# Altium PCB CW308_PCB.PcbDoc (part 1 of 2) (continued)
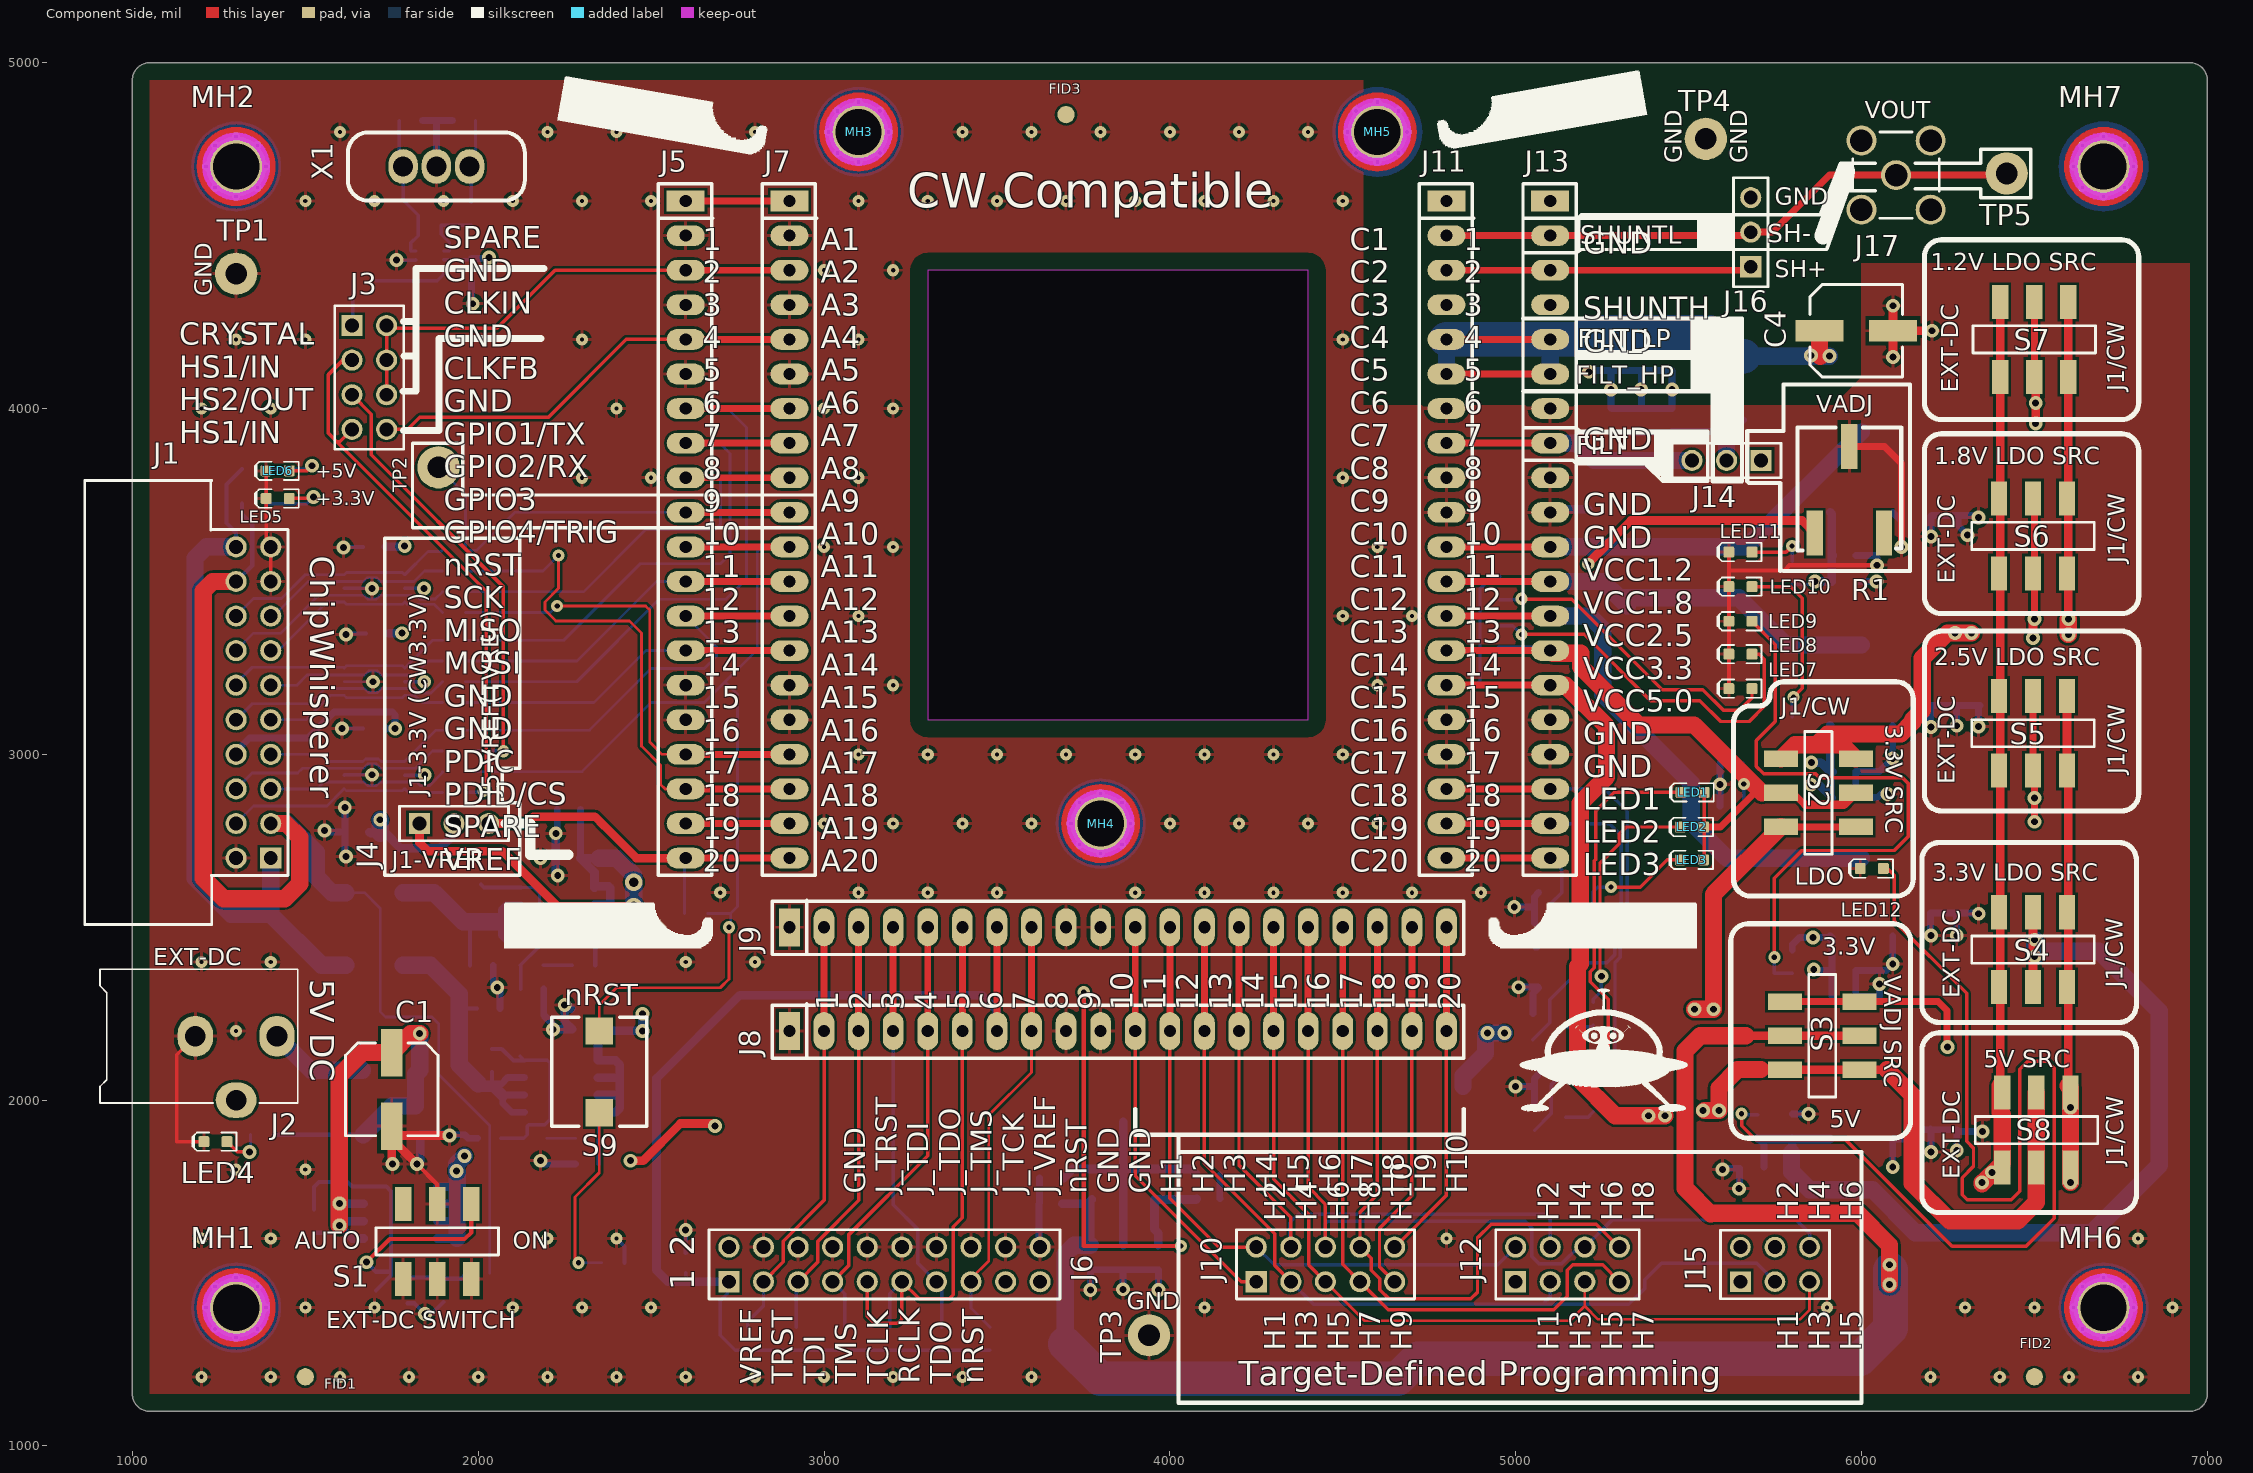
[diagram p0: Component Side view]
## Components (designator, comment, footprint, x,y, rotation, side; value= is the part's Value field where it differs from the comment) (continued)
LED3 "Red" LED-0603-RED 5510,2695 r180 top
LED4 "Green" LED-0603-GREEN 1240,1880 r180 top
LED5 "Green" LED-0603-GREEN 1420,3740 r180 top
LED6 "Green" LED-0603-GREEN 1420,3820 r180 top
LED7 "Green" LED-0603-GREEN 5650,3190 r180 top
LED8 "Green" LED-0603-GREEN 5650,3290 r180 top
LED9 "Green" LED-0603-GREEN 5650,3385 r180 top
LED10 "Green" LED-0603-GREEN 5650,3485 r180 top
LED11 "Green" LED-0603-GREEN 5650,3585 r180 top
LED12 "Green" LED-0603-GREEN 6030,2670 r180 top
MH1 "Mounting-Hole-RND-Altium" Mounting-Hole-RND-Altium 1300,1400 r0 top
MH2 "Mounting-Hole-RND-Altium" Mounting-Hole-RND-Altium 1300,4700 r0 top
MH3 "Mounting-Hole-RND-Altium" Mounting-Hole-RND-Altium 3100,4800 r0 top locked
MH4 "Mounting-Hole-RND-Altium" Mounting-Hole-RND-Altium 3800,2800 r0 top locked
MH5 "Mounting-Hole-RND-Altium" Mounting-Hole-RND-Altium 4600,4800 r0 top locked
MH6 "Mounting-Hole-RND-Altium" Mounting-Hole-RND-Altium 6700,1400 r0 top
MH7 "Mounting-Hole-RND-Altium" Mounting-Hole-RND-Altium 6700,4700 r0 top
PTC1 "MF-MSMF050" BOUR-MF-MSMF050-2_V 1748.03,2086.61 r0 bottom
PTC2 "MF-MSMF050" BOUR-MF-MSMF050-2_V 1700,2390 r0 bottom
PTC3 "MF-MSMF050" BOUR-MF-MSMF050-2_V 1700,2600 r0 bottom
Q1 "IRLML2502" SOT23-3 5100,1950 r0 bottom
Q2 "IRLML2502" SOT23-3 5100,2475 r0 bottom
Q3 "IRLML2502" SOT23-3 5095.28,2212.4 r0 bottom
Q4 "FDS8433A" SOIC127P600X175-8AN 2240,2040 r0 bottom
Q5 "FDS8433A" SOIC127P600X175-8AN 2230,2540 r0 bottom
Q6 "FDS8433A" SOIC127P600X175-8AN 1775,1675 r0 bottom
Q7 "IRLML2502" SOT23-3 1750,1450 r180 bottom
R1 "3361P-1-501G" BOURNS-3361P 5965,3765 r0 top
R2 "Thick Film" RESC1608X55N 5800,2400 r90 bottom
R3 "Thick Film" RESC1608X55N 5800,3075 r270 bottom
R4 "Thick Film" RESC1608X55N 5800,3525 r270 bottom
R5 "Thick Film" RESC1608X55N 5700,1925 r270 bottom
R6 "Thick Film" RESC1608X55N 4952,3339 r270 bottom
R7 "Thick Film" RESC1608X55N 5225,2000 r270 bottom
R8 "Thick Film" RESC1608X55N 5225,2250 r270 bottom
R9 "Thick Film" RESC1608X55N 5225,2525 r270 bottom
R10 "Thick Film" RESC1608X55N 5210,3675 r270 bottom
R11 "Thick Film" RESC1608X55N 5100,2075 r180 bottom
R12 "Thick Film" RESC1608X55N 5100,2325 r180 bottom
R13 "Thick Film" RESC1608X55N 5100,2600 r180 bottom
R14 "Thick Film" RESC1608X55N 4954,3481 r90 bottom
R15 "Thick Film" RESC1608X55N 4111.54,1715 r180 bottom
R16 "Thick Film" RESC1608X55N 4111,1784 r0 bottom
R17 "Thick Film" RESC1608X55N 3480,1310 r90 bottom
R18 "Thick Film" RESC1608X55N 3340,1310 r90 bottom
R19 "Thick Film" RESC1608X55N 3190,1310 r90 bottom
R20 "Thick Film" RESC1608X55N 3060,1310 r90 bottom
R21 "Thick Film" RESC1608X55N 2920,1310 r90 bottom
R22 "Thick Film" RESC1608X55N 2780,1310 r90 bottom
R23 "Thick Film" RESC1608X55N 2630,2540 r180 bottom
R24 "Thick Film" RESC1608X55N 2315,1815 r0 bottom
R25 "Thick Film" RESC1608X55N 2165,1890 r0 bottom
R26 "Thick Film" RESC1608X55N 2156,2321 r180 bottom
R27 "Thick Film" RESC1608X55N 2155,2390 r0 bottom
R28 "Thick Film" RESC1608X55N 2031,1890 r0 bottom
R29 "Thick Film" RESC1608X55N 2030,2265 r180 bottom
R30 "Thick Film" RESC1608X55N 2010,2390 r180 bottom
R31 "Thick Film" RESC1608X55N 2000,1500 r0 bottom
R32 "Thick Film" RESC1608X55N 2262,2841 r0 bottom
R33 "Thick Film" RESC1608X55N 1980,4563.46 r270 bottom
R34 "Thick Film" RESC1608X55N 1930,2890 r0 bottom
R35 "Thick Film" RESC1608X55N 1930,2950 r180 bottom
R36 "Thick Film" RESC1608X55N 1930,3010 r0 bottom
R37 "Thick Film" RESC1608X55N 1930,3070 r180 bottom
R38 "Thick Film" RESC1608X55N 1930,3150 r180 bottom
R39 "Thick Film" RESC1608X55N 1930,3210 r0 bottom
R40 "Thick Film" RESC1608X55N 1930,3270 r180 bottom
R41 "Thick Film" RESC1608X55N 1930,3330 r0 bottom
R42 "Thick Film" RESC1608X55N 1930,3410 r180 bottom
R43 "Thick Film" RESC1608X55N 1930,3470 r0 bottom
R44 "Thick Film" RESC1608X55N 1930,3530 r180 bottom
R45 "Thick Film" RESC1608X55N 1930,3590 r0 bottom
R46 "Thick Film" RESC1608X55N 1900,1450 r270 bottom
R47 "Thick Film" RESC1608X55N 1860,4530 r0 bottom
R48 "Thick Film" RESC1608X55N 1670,4370 r180 bottom
R49 "Thick Film" RESC1608X55N 1525,1650 r90 bottom
R50 "Thick Film" RESC1608X55N 1375,1900 r0 bottom
R51 "Thick Film" RESC1608X55N 1350,3725 r180 bottom
R52 "Thick Film" RESC1608X55N 1350,3825 r180 bottom
R53 "Thick Film" RESC1608X55N 2390,1530 r0 bottom value=100R
S1 "JS202011SCQN" SW_JS202011SCQN 1881.57,1591.73 r0 top
S2 "JS202011SCQN" SW_JS202011SCQN 5875.51,2888.7 r90 top
S3 "JS202011SCQN" SW_JS202011SCQN 5886.73,2186.57 r90 top
S4 "JS202011SCQN" SW_JS202011SCQN 6496.06,2435.16 r0 top
S5 "JS202011SCQN" SW_JS202011SCQN 6496.06,3061.02 r0 top
S6 "JS202011SCQN" SW_JS202011SCQN 6496.06,3631.89 r0 top
S7 "JS202011SCQN" SW_JS202011SCQN 6500,4200 r0 top
S8 "JS202011SCQN" SW_JS202011SCQN 6505.91,1913.5 r0 top
S9 "EVP-ASDC1A" EVPAS 2350,2081.89 r270 top
TP1 "5011" KEYSTONE5011 1300,4390 r0 top
TP2 "5008" KEYSTONE5008 1885,3830 r0 top
TP3 "5011" KEYSTONE5011 3940,1320 r0 top
TP4 "5011" KEYSTONE5011 5550,4780 r270 top
TP5 "5008" KEYSTONE5008 6420,4680 r0 top
TVS1 "DIODE_TVS_5V" DO-214AC 1750,1900 r180 bottom
U1 "LD1117S18TR" SOT-223_M 6000,3200 r90 bottom
U2 "LD1117S12TR" SOT-223_M 6000,3816.14 r90 bottom
U3 "LD1117S33TR" SOT-223_L 6000,2000 r90 bottom
U4 "LD1117S25TR" SOT-223_L 6000,2587.8 r90 bottom
U5 "LD1117STR" SOT-223_L 3865,1825 r90 bottom
U6 "SN74LVC1GX04DCKT" DCK0006A_L 1860,4430 r0 bottom
U7 "ESD" MSOP10 1700,2940 r180 bottom
U8 "ESD" MSOP10 1700,3210 r180 bottom
U9 "ESD" MSOP10 1700,3480 r180 bottom
X1 "0667-0-15-15-30-27-10-0" HC49U_SOCKET 1878.94,4700 r180 top

## Footprints (in the part's own frame and the unit in brackets; to place one, negate y for a bottom-side part, rotate by r counter-clockwise, add the part's x,y. Pads: shape width x height; smd on the part's side, far side on the other; paste and mask are expansions set on the pad)
801-87-020-10-001101 [mil]
  rect 110x60 hole 35: 1(0,0)
  oval 110x60 hole 35: 2(0,-100) 3(0,-200) 4(0,-300) 5(0,-400) 6(0,-500) 7(0,-600) 8(0,-700) 9(0,-800) 10(0,-900) 11(0,-1000) 12(0,-1100) 13(0,-1200) 14(0,-1300) 15(0,-1400) 16(0,-1500) 17(0,-1600) 18(0,-1700) 19(0,-1800) 20(0,-1900)
  silkscreen extent -79,-1950 79,50, body extent -50,-1950 50,50, height 224
BOUR-MF-MSMF050-2_V [mm] "SMD, 2-Leads, Body 4.55x3.24mm"
  rect 1.5x3.2 smd: 1(-2.1,0) 2(2.1,0)
  body extent -2.28,-1.62 2.28,1.62, height 0.85
BOURNS-3361P [mil]
  rect 47x130 smd: CCW(-100,-125.5) CW(100,-125.5) W(0,125.5)
  silkscreen extent -150,-175 150,180, body extent -133,-165 131,171, height 206
CAPC1608X90N [mm] "Chip Capacitor, Body 1.6x0.8mm, EIA 0603, IPC Medium Density"
  round 0.254 on Mech15: 0(0,0)
  rrect25% 0.9x1 smd: 1(-0.85,0) 2(0.85,0)
  Component Side pour cut-out: -0.6,0.5 -0.4,0.7 0.4,0.7 0.6,0.5 0.6,-0.5 0.4,-0.7 -0.4,-0.7 -0.6,-0.5
  silkscreen extent -1.5,-0.7 1.5,0.7, body extent -0.85,-0.45 0.85,0.45, height 0.89
CAPC2012X135N [mm] "Chip Capacitor, Body 2.0x1.2mm, EIA 0805, IPC Medium Density"
  round 0.254 on Mech15: 0(0,0)
  rrect25% 1x1.4 smd: 1(-0.9,0) 2(0.9,0)
  Component Side pour cut-out: -0.675,0.7 -0.475,0.9 0.475,0.9 0.675,0.7 0.675,-0.7 0.475,-0.9 -0.475,-0.9 -0.675,-0.7
  silkscreen extent -1.6,-0.9 1.6,0.9, body extent -1.1,-0.72 1.1,0.73, height 1.34
CONN_PWR_JACK_2.1x5.5mm [mm] "Power Connector, 2.1mm ID, 5.5mm OD"
  oval 3x2.6 hole 1.511: 1(0,-13.7) 2(0,-7.7)
  oval 2.6x3 hole 1.511: 3(-4.7,-10.7)
  silkscreen extent -4.9,-15.22 4.92,-0.7, body extent -4.9,-14.1 4.5,0, height 11
DCK0006A_L [mm] "SOT23, 6-Leads, Body 2.15x1.4mm, Pitch 0.65mm, IPC High Density"
  rrect25% 0.65x0.4 smd: 1(-1.025,0.65) 2(-1.025,0) 3(-1.025,-0.65) 4(1.025,-0.65) 5(1.025,0) 6(1.025,0.65)
  silkscreen extent -1.15,-1.1 0.3,1.52, body extent -1.14,-1 1.14,1, height 0.94
DO-214AC [mm] "JEDEC DO214 variation AC. SMA"
  round 0.508 on Mech15: 0(0,0)
  rrect25% 2.2x1.5 smd: A(-2.1,0) K(2.1,0)
  silkscreen extent -2.3,-1.4 2.3,1.4, body extent -2.6,-1.3 2.6,1.3, height 2.42
EVPAS [mm]
  rect 2x2 smd: 1(-3,0) 2(3,0)
  silkscreen extent -4,-3.5 4,3.5, body extent -3.5,-3.05 3.5,3.05, height 5
FIDU-ROUND-1.0mm [mil]
  round 50 smd paste-78.74 mask+27.56: M1(0,0)
HC49U_SOCKET [mil] "3x 0667-0-15-15-30-27-10-0"
  oval 85x100 hole 58: 1(-96.06,0) 2(0,0) 3(96.06,0)
  silkscreen extent -256,-98 256,98, body extent -132,-36 132,36, height 16
KEYSTONE5008 [mm] "TEST POINT PC MULTI PURPOSE ORG"
  round 3.1 hole 1.6: 1(0,0)
  body extent -1.59,-1.59 1.59,1.59, height 5.47
KEYSTONE5011 [mm] "TEST POINT PC MULTI PURPOSE BLK"
  round 3.1 hole 1.6: 1(0,0)
  body extent -1.59,-1.59 1.59,1.59, height 8.13
LED-0603-GREEN [mm]
  round 0.254 on Mech15: 0(0,0)
  rrect25% 0.8x0.8 smd: A(-0.85,0) K(0.85,0)
  Component Side pour cut-out: -0.5,0.5 0.5,0.5 0.5,-0.5 -0.5,-0.5
  silkscreen extent -1.55,-0.67 1.68,0.67, body extent -0.8,-0.4 0.8,0.4, height 0.75
LED-0603-RED [mm]
  round 0.254 on Mech15: 0(0,0)
  rrect25% 0.8x0.8 smd: A(-0.85,0) K(0.85,0)
  Component Side pour cut-out: -0.5,0.5 0.5,0.5 0.5,-0.5 -0.5,-0.5
  silkscreen extent -1.55,-0.67 1.68,0.67, body extent -0.8,-0.4 0.8,0.4, height 0.75
Mounting-Hole-RND-Altium [mm] "Mounting Hole, Altium, 4.4mm pad, 3.4mm plated hole"
  round 4.4 hole 3.4 mask+0.038: MOUNT(0,0)
  Component Side circle w1: c0,0 r2.4
  Solder Side circle w1.2: c0,0 r2.702
  Keep-Out Layer circle w0.6: c0,0 r2.2
MSOP10 [mm] "0.5mm pitch MSOP10 / MO-187"
  oval 1.35x0.3 smd: 1(-2.225,1) 2(-2.225,0.5) 3(-2.225,0) 4(-2.225,-0.5) 5(-2.225,-1) 6(2.225,-1) 7(2.225,-0.5) 8(2.225,0) 9(2.225,0.5) 10(2.225,1)
  silkscreen extent -2.35,-1.55 1.15,1.82, body extent -2.44,-1.55 2.44,1.55, height 1.1
NAE-PCB-CW-1000-0001-01 [mm] "High Temp Terminal Body, 2x10 Pins, R/A, 2.54mm Pitch, Male"
  rect 1.55x1.55 hole 1.02: 1(0,0)
  round 1.55 hole 1.02: 2(0,2.54) 3(2.54,0) 4(2.54,2.54) 5(5.08,0) 6(5.08,2.54) 7(7.62,0) 8(7.62,2.54) 9(10.16,0) 10(10.16,2.54) 11(12.7,0) 12(12.7,2.54) 13(15.24,0) 14(15.24,2.54) 15(17.78,0) 16(17.78,2.54) 17(20.32,0) 18(20.32,2.54) 19(22.86,0) 20(22.86,2.54)
  silkscreen extent -4.87,-1.27 27.74,13.66, body extent -4.87,-0.31 27.74,13.66, height 9.27
NIC-CAPA2-6.3X5.8_V [mm] "Aluminum Electrolytic Capacitor, Diameter 6.3mm, Height 6.1mm, Pitch 5.4mm"
  rect 3.5x1.6 smd: 1(-2.7,0) 2(2.7,0)
  silkscreen extent -3.4,-3.4 3.4,3.4, body extent -3.14,-3.12 3.14,3.15, height 6.1
RESC1608X55N [mm] "Chip Resistor, Body 1.6x0.8mm, EIA 0603, IPC Medium Density"
  round 0.254 on Mech15: 0(0,0)
  rrect25% 0.9x1 smd: 1(-0.85,0) 2(0.85,0)
  Component Side pour cut-out: -0.6,0.5 -0.4,0.7 0.4,0.7 0.6,0.5 0.6,-0.5 0.4,-0.7 -0.4,-0.7 -0.6,-0.5
  silkscreen extent -1.5,-0.7 1.5,0.7, body extent -0.87,-0.47 0.88,0.48, height 0.54
SMA_VERT_1.65MMHOLE [mm] "SMA Straight Jack, 6.35x6.35x9.5mm, Rosenberger Recommended"
  round 2.2 hole 1.65: 1(0,0) MH(-2.54,-2.54) MH(-2.54,2.54) MH(2.54,-2.54) MH(2.54,2.54)
  silkscreen extent -3.17,-3.18 3.18,3.17, body extent -3.17,-3.17 3.18,3.18, height 9.5
SMTC-MTLW-103-06-X-D-180 [mm] "Terminal Assembly, 2x3 Pins, Vertical, 2.54mm Pitch, Male"
  rect 1.52x1.52 hole 1.02: 1(0,0)
  round 1.52 hole 1.02: 2(0,2.54) 3(2.54,0) 4(2.54,2.54) 5(5.08,0) 6(5.08,2.54)
  silkscreen extent -1.46,-1.24 6.54,3.78, body extent -1.27,-1.24 6.35,3.78, height 6.1
SMTC-MTSW-104-12-X-D-006 [mm] "Assembly .025\" [.64] SQ Post Terminal Strip, 2x4 Pins, Vertical, 2.54mm Pitch, Male"
  rect 1.55x1.55 hole 1.02: 1(0,0)
  round 1.55 hole 1.02: 2(0,2.54) 3(2.54,0) 4(2.54,2.54) 5(5.08,0) 6(5.08,2.54) 7(7.62,0) 8(7.62,2.54)
  silkscreen extent -1.46,-1.27 9.08,3.81, body extent -1.27,-1.27 8.89,3.81, height 2.69
SMTC-MTSW-105-07-X-D-230 [mm] "Assembly .025\" [.64] SQ Post Terminal Strip, 2x5 Pins, Vertical, 2.54mm Pitch, Male"
  rect 1.55x1.55 hole 1.02: 1(0,0)
  round 1.55 hole 1.02: 2(0,2.54) 3(2.54,0) 4(2.54,2.54) 5(5.08,0) 6(5.08,2.54) 7(7.62,0) 8(7.62,2.54) 9(10.16,0) 10(10.16,2.54)
  silkscreen extent -1.46,-1.27 11.62,3.81, body extent -1.27,-1.27 11.43,3.81, height 8.38
SMTC-MTSW-110-22-X-D-023 [mm] "Assembly .025\" [.64] SQ Post Terminal Strip, 2x10 Pins, Vertical, 2.54mm Pitch, Male"
  rect 1.55x1.55 hole 1.02: 1(0,0)
  round 1.55 hole 1.02: 2(0,2.54) 3(2.54,0) 4(2.54,2.54) 5(5.08,0) 6(5.08,2.54) 7(7.62,0) 8(7.62,2.54) 9(10.16,0) 10(10.16,2.54) 11(12.7,0) 12(12.7,2.54) 13(15.24,0) 14(15.24,2.54) 15(17.78,0) 16(17.78,2.54) 17(20.32,0) 18(20.32,2.54) 19(22.86,0) 20(22.86,2.54)
  silkscreen extent -1.46,-1.27 24.32,3.81, body extent -1.27,-1.27 24.13,3.81, height 3.12
SMTC-TSW-103-07-X-S [mm] ".025 SQ Post Terminal Strip Assembly, 1x3 Pins, Vertical, 2.54mm Pitch, Male"
  rect 1.55x1.55 hole 1.02: 1(0,0)
  round 1.55 hole 1.02: 2(2.54,0) 3(5.08,0)
  silkscreen extent -1.46,-1.27 6.54,1.27, body extent -1.27,-1.27 6.35,1.27, height 8.38
SOIC127P600X175-8AN [mm] "SOIC, 8-Leads, Body 4.9x3.9mm, Pitch 1.27mm, IPC Medium Density"
  round 1 on Mech15: 0(0,0)
  oval 1.6x0.6 smd: 1(-2.7,1.905) 2(-2.7,0.635) 3(-2.7,-0.635) 4(-2.7,-1.905) 5(2.7,-1.905) 6(2.7,-0.635) 7(2.7,0.635) 8(2.7,1.905)
  silkscreen extent -2.82,-2.5 1.6,2.82, body extent -3,-2.45 3,2.45, height 1.75
SOT23-3 [mm] "SOT23, 3 pin"
  round 0.5 on Mech15: 0(0,0)
  rrect25% 1x0.6 smd: 1(-1.15,0.95) 2(-1.15,-0.95) 3(1.15,0)
  silkscreen extent -0.38,-1.45 0.38,1.45, body extent -1.4,-1.45 1.4,1.45, height 1.29
SOT-223_L [mm] "SOT223, 4-Leads, Body 6.5x3.5mm, Pitch 2.3mm, Lead Span 7mm, IPC High Density"
  rect 2.1x0.9 smd: 1(-2.85,2.3) 2(-2.85,0) 3(-2.85,-2.3)
  rect 2.1x3.2 smd: 4(2.85,0)
  silkscreen extent -2.97,-3.35 1.5,3.43, body extent -1.85,-3.35 1.85,3.35, height 1.8
SOT-223_M [mm] "SOT223, 4-Leads, Body 6.5x3.5mm, Pitch 2.3mm, Lead Span 7mm, IPC Low Density"
  rect 2.7x1 smd: 1(-2.95,2.3) 2(-2.95,0) 3(-2.95,-2.3)
  rect 2.7x3.3 smd: 4(2.95,0)
  silkscreen extent -3.07,-3.35 1.3,3.48, body extent -1.85,-3.35 1.85,3.35, height 1.8
SW_JS202011SCQN [mm]
  rect 1.2x2.5 smd paste-25.4 mask-25.4: 1(-2.5,-2.75) 2(0,-2.75) 3(2.5,-2.75) 4(-2.5,2.75) 5(0,2.75) 6(2.5,2.75)
  silkscreen extent -4.5,-1 4.5,1, body extent -4.5,-3.75 4.5,3.75, height 5.5
WE-TPC-6823-X [mm] "SMD Inductor, 2-Leads, Body 6.8 x 6.8 mm"
  rect 2.6x7.3 smd: 1(-2.35,0) 2(2.35,0)
  silkscreen extent -0.45,-3.5 0.45,3.5, body extent -3.4,-3.4 3.4,3.4, height 2.29

## Part data
C1 C4: library part CMP-0687-00052-1, "Aluminum Electrolytic Capacitor, UD Series, Low Impedance, 150 uF, 10 V, + / - 20%, -55 to 105 degC, Chip Type, 6.3 x 5.8 mm D x L, Pb-Free, Reel"
C5 C6 C7 C9 C13 C14 C15 C19 C25 C26 C27 C28 C29 C30 C31 C36 C38 C47: library part CAPC_10u_0805_10V, "Capacitor SMD Cer 10uF 10% 10V X5R 0805"
C8 C10 C11 C12 C16 C17 C18 C20 C21 C22 C23 C24 C32 C33 C34 C39 C40 C42 C44 C45 C46: library part CAPC_100n_0603_X7R_50V_10%, "Capacitor SMD Cer 100nF 10% 50V X7R 0603"
C35 C37: library part CAPC_10n_0603_X7R_50V_10%, "Capacitor SMD Cer 10nF 10% 50V X7R 0603"
C41 C43: library part CAPC_27p_0603_NP0_100V_1%, "Capacitor SMD Cer 27pF 1% 100V NP0 0603"
FID1 FID2 FID3 FID4 FID5 FID6: "ROUND FIDUCIAL"
J1: library part NAE-CW-1000-0001-01, "20 Pin R/A Shrouded Header"
J2: "Power Connector, THT, 2.1mm ID, 5.5mm OD"
J3 J12: library part CMP-1024-00110-1
J4 J14 J16: library part CMP-1024-00333-1
J5 J8 J13: library part 801-87-020-10-001101, "1x20 Header, Male"
J6: library part CMP-1024-00146-1
J7 J9 J11: library part 801-87-020-10-001101, "1x20 Header, Machined"
J10: library part CMP-1024-00112-1
J15: library part CMP-1024-00068-1
J17: "SMA, Vert"
L1: library part CMP-0227-00387-1, "SMD Shielded Tiny Power Inductor WE-TPC, L = 1000 µH"
LED1 LED4 LED5 LED6 LED7 LED8 LED9 LED10 LED11 LED12: library part LED_SMD_Green_0603_570nm, "LED 0603 SMD Green 570nm 50mcd 20mA"
LED2 LED3: library part LED_SMD_Red_0603_220mcd, "LED 0603 SMD Hyper Red 630nm 220mcd 20mA"
MH1 MH2 MH3 MH4 MH5 MH6 MH7: library part CMP-0001-00029-1, "Mounting Hole, Altium, 4.4mm pad, 3.4mm plated hole"
PTC1 PTC2 PTC3: library part CMP-0280-00002-2, "MF-MSMF Series - PTC Resettable Fuse, 15 V Max, 0.15 Ohm Min, -40 to 85 degC, RoHS, Reel"
Q1 Q2 Q3 Q7: library part MOSFET_IRLML2502, "MOSFET SMD N-CH 20V 4.2A SOT23-3"
Q4 Q5 Q6: library part MOSFET_FDS8433A, "MOSFET P-CH 30V 13.7A SOIC-8 SMD, LL-Gate Drive"
R1: "500 ohm, single-turn trimmer"
R2 R3 R4 R5 R6 R7 R8 R9 R14 R29 R30 R50 R51 R52: library part RES_1K_0603_1%, "Resistor SMD chip 1k Ohm 0.1W 1% 0603"
R10 R15 R16 R25 R27 R31: library part RES_100R_0603_1%, "Resistor SMD chip 100 Ohm 0.1W 1% 0603"
R11 R12 R13 R17 R18 R19 R20 R21 R22 R23 R46 R49: library part RES_100K_0603_1%, "Resistor SMD chip 100k Ohm 0.1W 1% 0603"
R24 R32 R33: library part RES_330R_0603_5%, "Resistor SMD chip 330 Ohm 0.1W 5% 0603"
R26 R28 R47: library part RES_1M_0603_5%, "Resistor SMD chip 1M Ohm 0.1W 5% 0603"
R34 R35 R36 R37 R38 R39 R40 R41 R42 R43 R44 R45 R48: library part RES_22R_0603_5%, "Resistor SMD chip 22 Ohm 0.1W 5% 0603"
R53: library part RES_100R_0603_1%, "Resistor SMD chip 100 Ohm 0.1W 1% 0603", Manufacturer 1=Yageo, Manufacturer 2="Panasonic - ECG", Manufacturer Part Number 1=RC0603FR-07100RL, Manufacturer Part Number 2=ERJ-3EKF1000V, Package / Case="0603 (1608 Metric)", Ratings="1/10 W", Supplier Part Number 1=311-100HRCT-ND, Tolerance=±1%, ComponentLink1Description=http://industrial.panasonic.com/www-cgi/jvcr13pz.cgi?E+PZ+3+AOA0002+ERJ3EKF1000V+7+WW, ComponentLink1URL=http://industrial.panasonic.com/www-cgi/jvcr13pz.cgi?E+PZ+3+AOA0002+ERJ3EKF1000V+7+WW, Material="Thick Film", SCDType=spec, Supplier 1=Digi-Key, Supplier 2=Digi-Key, Supplier Part Number 2=P100HTR-ND
S1 S2 S3 S4 S5 S6 S7 S8: "DPDT SMD Switch, 300mA"
S9: "Pushbutton, SMD, 2.5NM force, NO", Manufacture 1=Panasonic, Rated Power=0.1W, Rated Voltage=75VDC, Supplier Part Number 1=P16856CT-ND, Component Group=Switch, Component Type=Standard, Manufacture Part Number 1=EVP-ASDC1A, Mounting Technology=SMT, Part Number=EVP-ASDC1A, Pin Count=2, Supplier 1=Digi-Key
TP1 TP3 TP4: library part KEYSTONE_5011, "TEST POINT PC MULTI PURPOSE BLK"
TP2 TP5: library part KEYSTONE_5008, "TEST POINT PC COMPACT .063\"D ORG"
TVS1: "TVS SMA"
U1: library part CMP-0244-00308-1, "Fixed Low Drop Positive Voltage Regulator, 1.8V, 4-Pin SOT-223, Tape and Reel"
U2: library part CMP-0244-00318-1, "Fixed Low Drop Positive Voltage Regulator, 1.2V, 4-Pin SOT-223, Tape and Reel"
U3: library part CMP-0244-00310-1, "Fixed Low Drop Positive Voltage Regulator, 3.3V, 4-Pin SOT-223, Tape and Reel"
U4: library part CMP-0244-00306-1, "Fixed Low Drop Positive Voltage Regulator, 4-Pin SOT-223, Tape and Reel"
U5: library part CMP-0244-00313-1, "Adjustable Low Drop Voltage Regulator, 1.25 to 15V, 4-Pin SOT-223, Tape and Reel"
U6: library part CMP-0859-00485-3, "Crystal Oscillator Driver, DCK0006A, SMALL T&R"
U7 U8 U9: library part SP3003-04ATG, "SP3003-04ATG"
X1: library part XTALHOLDER_49US, "XTAL Holder built using 3x 0667-0-15-15-30-27-10-0"

## Via types
v1: diameter 40, hole 20, Component Side to Solder Side, tented both sides, 117 vias
v2: diameter 35, hole 12, Component Side to Solder Side, tented both sides, 115 vias
v3: diameter 23.62, hole 11.81, Component Side to Solder Side, tented both sides, 56 vias
v4: diameter 35, hole 15, Component Side to Solder Side, tented both sides, 17 vias
v5: diameter 50, hole 28, Component Side to Solder Side, tented both sides, 2 vias

## Nets (pads, with @x,y where several pads share a name; then routed paths per layer and width w, separated by ;. In a path a pad name is that pad's centre, name@x,y a point inside that pad or via, vN(x,y) a via of type N, cw(c..) or ccw(c..) an arc to the next point about the centre after c; other vN are vias at no path point)
CLKIN: J3.2 J3.4 J3.6 J5.3 J7.3 | length 1442.4
  Component Side w10: J3.6@1735,4051.42 1735,4151.42 1735,4251.42 1754.13,4232.28 2054.33,4232.28 2222.05,4400 J5.3@2600,4400
  Component Side w20: J5.3@2600,4400 J7.3@2900,4400
CLKOUT: J3.8 J5.5 J7.5 | length 1272.7
  Component Side w10: J3.8@1735,3940 1796,3940 1831,3975 2203.35,3975 2428.35,4200 J5.5@2600,4200
  Component Side w20: J5.5@2600,4200 J7.5@2900,4200
CW_3V3: C37.1 C38.1 J4.1 Q5.5 Q5.6 Q5.7 Q5.8 R32.2 S2.3 S2.6 S3.3 S3.6 S6.3 S6.6 S7.3 S7.6 | length 10790.6
  Component Side w20: S3.6@5778.46,2285 S3.3@5995,2285 6222,2285 6248,2259 6248,2155 v1(6249,2154)
  Component Side w25: J4.1@1830,2800 1830,2745 1855,2720 2070,2720 2230,2560 v5(2450,2560) ; v1(6598.43,3391.73) S7.3@6598.43,4091.73 S7.6@6598.43,4308.27
  Component Side w50: J4.1@1825,2795 J4.1@1830,2800 ; S2.6@5767.24,2987.13 5808.12,3028 5871,3028 ; S2.3@5983.78,2987.13 5942.91,3028 5871,3028 ; v1(6318,3351) v1(6271,3351) 6249,3351 6176,3278 6176,3127.49 6148.79,3100.28 6148.79,3093.79 6114,3059 5902,3059 5871,3028 ; v1(6598.43,3346.46) v1(6598.43,3391.73)
  Internal Signal 3 w50: v1(6271,3351) v1(6318,3351) 6336,3351 6457,3472 6558,3472 6598.43,3431.57 v1(6598.43,3391.73) v1(6598.43,3346.46) 6598.43,3200.79 6602.36,3196.85
  Internal Signal 3 w100: v5(2450,2630) v5(2450,2560) 2450,2550 2440.94,2540.94 2440.94,2362.2 2444.88,2358.27 2500,2358.27 2590.55,2267.72 2590.55,2025 4905.48,2025 4968.11,1962.37 5273.39,1962.37 5381.89,2070.87 6027.56,2070.87 ; 6058.07,2101.38 6027.56,2070.87 ; 6602.36,3196.85 6716.54,3082.68 6716.54,2248.03 6622.05,2153.54 6110.24,2153.54 6027.56,2070.87
  Solder Side w12: Q5.8@2336.3,2465 2338.46,2462.83 C37.1@2338.46,2390
  Solder Side w20: C38.1@2295.46,2700.03 R32.2@2295.46,2841
  Solder Side w25: 2334.65,2700.79 2333.86,2700 ; Q5.8@2336.3,2465 2374.45,2465 2381.89,2472.44 2381.89,2515.75 ; Q5.7@2336.3,2515 2381.14,2515 2381.89,2515.75 ; Q5.6@2336.3,2565 2376.02,2565 2381.89,2570.87 ; 2350,2700 2333.86,2700 ; 2333.86,2700 C38.1@2295.43,2700 2336.3,2659.13 Q5.5@2336.3,2615 2339.41,2618.11 2377.95,2618.11 2381.89,2614.17 2381.89,2570.87 ; 2381.89,2515.75 2381.89,2570.87
  Solder Side w50: 2350,2700 2400,2700 2450,2650 v5(2450,2630) v5(2450,2560)
CW_5V: C35.1 C36.1 Q4.5 Q4.6 Q4.7 Q4.8 R24.2 S4.3 S4.6 S5.3 S5.6 S8.3 S8.6 | length 7006.9
  Component Side w25: S5.3@6594.49,2952.76 S5.6@6594.49,3169.29 ; S8.6@6598.43,2041.73 S5.3@6598.43,2908.27
  Component Side w50: S8.6@6598.43,2041.73 6604.33,2035.83 v1(6604.33,1978.35) v1(6604.33,1761.81)
  Internal Signal 3 w50: 2452.76,2169.29 2437.01,2185.04 2451.97,2200 v1(2475,2200) v1(2475,2250) ; v1(6604.33,1761.81) v1(6604.33,1978.35)
  Internal Signal 3 w100: 2452.76,2169.29 2452.76,1940.94 2547.24,1846.46 5536.77,1846.46 5566.53,1876.21 5630.32,1876.21 5632.52,1874.02 6048.59,1874.02 6058.66,1884.09 6069.13,1884.09 6185.04,2000 6578.74,2000 6602.36,1976.38 v1(6604.33,1978.35)
  Solder Side w10: Q4.8@2346.3,1965 2348.46,1962.83 C35.1@2348.46,1890
  Solder Side w12: R24.2@2348.46,1815 C35.1@2348.46,1890
  Solder Side w25: C36.1@2342.52,2204.72 C36.1@2346.3,2200.94 ; Q4.8@2346.3,1965 2398.07,1965 2409.45,1976.38 2409.45,2021.65 ; Q4.7@2346.3,2015 2402.8,2015 2409.45,2021.65 ; Q4.6@2346.3,2065 2407.52,2065 2409.45,2066.93 ; v1(2475,2250) v1(2475,2200) 2474.06,2200.94 C36.1@2346.3,2200.94 ; C36.1@2346.3,2200.94 Q4.5@2346.3,2115 2396.81,2115 2409.45,2102.36 2409.45,2066.93 ; 2409.45,2021.65 2409.45,2066.93
CW_GPIO1: J1.10 R39.1 U8.4 U8.7 | length 662.4
  Solder Side w8: J1.10@1300,3100 1346.46,3146.46 1512.6,3146.46 1556.46,3190.32 U8.7@1612.4,3190.32 1671.36,3190.32 1682.67,3179 1708.35,3179 1719.67,3190.32 U8.4@1787.6,3190.32 1817.56,3190.32 1830.71,3177.17 1863.7,3177.17 R39.1@1896.54,3210
CW_GPIO2: J1.12 R41.1 U8.1 U8.10 | length 661.3
  Solder Side w8: J1.12@1300,3200 1300,3205.51 1346.46,3251.97 1609.8,3251.97 U8.10@1612.4,3249.37 1619.03,3256 1780.97,3256 U8.1@1787.6,3249.37 1868.23,3330 R41.1@1896.54,3330
CW_GPIO3: J1.14 R43.1 U9.4 U9.7 | length 685.7
  Solder Side w8: J1.14@1300,3300 1350.39,3350.39 1429.13,3350.39 1539.06,3460.32 U9.7@1612.4,3460.32 1668.44,3460.32 1679.76,3449 1705.44,3449 1716.75,3460.32 U9.4@1787.6,3460.32 1818.68,3460.32 1829.99,3449 1875.54,3449 R43.1@1896.54,3470
CW_GPIO4: J1.16 R45.1 U9.1 U9.10 | length 680.7
  Solder Side w8: J1.16@1300,3400 1350.39,3450.39 1430.71,3450.39 1499.69,3519.37 U9.10@1612.4,3519.37 1619.03,3526 1780.97,3526 U9.1@1787.6,3519.37 1854.84,3586.61 1893.15,3586.61 R45.1@1896.54,3590
CW_HS1: J1.4 R34.1 U7.5 U7.6 | length 647.3
  Solder Side w8: J1.4@1300,2800 1350.39,2850.39 1562.17,2850.39 U7.6@1612.4,2900.63 1618.09,2894.94 1781.91,2894.94 U7.5@1787.6,2900.63 1798.23,2890 R34.1@1896.54,2890
CW_HS2: J1.6 R36.1 U7.2 U7.9 | length 652.3
  Solder Side w8: J1.6@1300,2900 1346.46,2946.46 1477.95,2946.46 1491.18,2959.69 U7.9@1612.4,2959.69 1667.81,2959.69 1680.07,2971.94 1705.75,2971.94 1718.01,2959.69 U7.2@1787.6,2959.69 1817.95,2959.69 1868.27,3010 R36.1@1896.54,3010
CW_MISO: J1.7 R37.2 U7.1 U7.10 | length 548.9
  Solder Side w8: J1.7@1400,3000 1547.24,3000 1567.87,2979.37 U7.10@1612.4,2979.37 1666.28,2979.37 1673.86,2986.94 1711.97,2986.94 1719.54,2979.37 U7.1@1787.6,2979.37 1878.23,3070 R37.2@1896.54,3070
CW_MOSI: J1.9 R38.2 U8.5 U8.6 | length 539.8
  Solder Side w8: J1.9@1400,3100 1501.57,3100 1572.2,3170.63 U8.6@1612.4,3170.63 1619.03,3164 1780.97,3164 U8.5@1787.6,3170.63 1816.03,3170.63 1824.5,3162.17 1826.02,3162.17 1838.19,3150 R38.2@1896.54,3150
CW_PDIC: J1.13 R42.2 U9.5 U9.6 | length 573
  Solder Side w8: J1.13@1400,3300 1422.05,3300 1562.68,3440.63 U9.6@1612.4,3440.63 1619.03,3434 1780.97,3434 U9.5@1787.6,3440.63 1794.23,3434 1872.54,3434 R42.2@1896.54,3410
CW_PDID: J1.15 R44.2 U9.2 U9.9 | length 559.8
  Solder Side w8: J1.15@1400,3400 1407.87,3400 1507.56,3499.69 U9.9@1612.4,3499.69 1668.44,3499.69 1679.76,3511 1705.44,3511 1716.75,3499.69 U9.2@1787.6,3499.69 1814.65,3499.69 1844.96,3530 R44.2@1896.54,3530
CW_RST: J1.5 R35.2 U7.4 U7.7 | length 536.9
  Solder Side w8: J1.5@1400,2900 1533.86,2900 1554.17,2920.32 U7.7@1612.4,2920.32 1669.7,2920.32 1680.07,2909.94 1705.75,2909.94 1716.12,2920.32 U7.4@1787.6,2920.32 1821.36,2920.32 1832.67,2909 1858.35,2909 1896.54,2947.18 R35.2@1896.54,2950
CW_SCK: J1.11 R40.2 U8.2 U8.9 | length 534.9
  Solder Side w8: J1.11@1400,3200 1475.59,3200 1505.28,3229.69 U8.9@1612.4,3229.69 1671.36,3229.69 1682.67,3241 1708.35,3241 1719.67,3229.69 U8.2@1787.6,3229.69 1816.3,3229.69 1856.61,3270 R40.2@1896.54,3270
FILT_HP: C4.1 C24.1 C26.1 C28.1 J11.5 J11.6 J13.5 J13.6 L1.2 | length 2509.9
  Component Side w20: J11.6@4800,4100 J13.6@5100,4100 J13.6@5139.37,4100 ; J11.5@4800,4200 J13.5@5100,4200 ; v1(5854.33,4153.54) 5856.3,4151.57 5881,4151.57 v1(5907.48,4151.57)
  Component Side w50: C4.1@5878.7,4225 5878.7,4153.87 5881,4151.57
  Solder Side w20: C28.1@5275.59,4179.13 C26.1@5364.17,4179.13 5450.79,4179.13 C24.1@5452.76,4177.17 5602.83,4177.17 5633.86,4177.17 L1.2@5659.45,4151.57 ; v1@5852.36,4151.57 v1(5854.33,4153.54)
  Solder Side w50: J11.6@4800,4100 J11.5@4800,4200 ; J13.6@5100,4100 J13.5@5100,4200 ; L1.2@5659.45,4151.57 5852.36,4151.57 v1(5907.48,4151.57)
  Solder Side w100: J11.5@4800,4200 J13.5@5100,4200 5195,4200 5215,4220 5560,4220 5602.83,4177.17 5628.43,4151.57 L1.2@5659.45,4151.57
FILTIN: J11.8 J13.8 J14.3 | length 730.7
  Component Side w20: J11.8@4800,3900 J13.8@5100,3900
  Solder Side w50: J13.8@5100,3900 5177,3900 5227,3850 J14.3@5510,3850
GND: C1.2 C4.2 C5.2 C6.2 C7.2 C8.2 C9.2 C10.2 C11.2 C12.2 C13.2 C14.2 C15.2 C16.2 C17.2 C18.2 C19.2 C20.2 C21.2 C22.2 C23.2 C24.2 C25.2 C26.2 C27.2 C28.2 C29.2 C30.2 C31.2 C32.2 C33.2 C34.2 C36.2 C38.2 C41.2 C42.2 C43.2 C44.2 C45.2 C46.2 C47.2 J1.2 J1.17 J1.19 J2.2 J5.2 J5.4 J5.6 J5.15 J5.16 J6.4 J6.6 J6.8 J6.10 J6.12 J6.14 J6.16 J6.18 J6.20 J7.2 J7.4 J7.6 J7.15 J7.16 J8.1 J8.9 J8.10 J9.1 J9.9 J9.10 J11.1 J11.4 J11.7 J11.9 J11.10 J11.16 J11.17 J13.1 J13.4 J13.7 J13.9 J13.10 J13.16 J13.17 J16.3 J17.MH LED4.K LED5.K LED6.K LED7.K LED8.K LED9.K LED10.K LED11.K LED12.K Q1.2 Q2.2 Q3.2 Q7.2 R1.W R10.1 R11.2 R12.2 R13.2 R24.1 R26.1 R28.1 R29.1 R30.1 R32.1 R46.2 R53.2 S1.1 S1.2 S1.3 S1.5 TP1.1 TP3.1 TP4.1 TVS1.A U1.1 U2.1 U3.1 U4.1 U6.2 U7.8 U8.8 U9.8 X1.2 | length 9529.1
  Component Side w10: J2.2@1181.89,2185.04 1127.87,2131.02 1127.87,1880 LED4.K@1206.54,1880 ; LED6.K@1386.54,3820 LED5.K@1386.54,3740 1386.54,3613.46 J1.19@1400,3600 J1.17@1400,3500
  Component Side w12: v1(1822.83,1814.96) 1881.57,1756.22 S1.5@1881.57,1700 ; LED7.K@5616.54,3190 LED8.K@5616.54,3290 LED9.K@5616.54,3385 LED10.K@5616.54,3485 5616.54,3532 ; LED11.K@5616.54,3585 5616.54,3532 ; v1(6045,3547) 5792,3547 5777,3532 5616.54,3532 ; v1@6275,3082.09 v1(6275.59,3082.68)
  Component Side w20: R1.W@5965,3890.5 6066.5,3890.5 6116,3841 v1(6116,3600)
  Component Side w25: v1(1751.97,1814.96) 1750,1816.93 C1.2@1750,1887.8 ; v1(1822.83,1814.96) C1.2@1750,1887.8 ; v1(1917.32,1897.64) 1777.36,1897.64 C1.2@1750,1925 C1.2@1750,1887.8 ; v1(6091.3,4149.3) C4.2@6091.3,4225 ; v1(6091.3,4297.3) C4.2@6091.3,4225 ; v1(6204,4225) C4.2@6091.3,4225
  Solder Side w8: U8.8@1612.4,3210 v1(1695.51,3210)
  Solder Side w10: U7.8@1612.4,2940 1613.35,2940.94 v1(1692.91,2940.94) ; U9.8@1612.4,3480 v1(1692.6,3480) ; v1(1763.78,4429.13) 1818.78,4429.13 U6.2@1819.65,4430
  Solder Side w12: v1(1606.3,3074.8) 1666.34,3074.8 C45.2@1666.54,3075 ; v1(1610.24,3598.43) 1611.81,3600 C46.2@1666.54,3600 ; v1(1618.11,3346.46) 1621.65,3350 C44.2@1675,3350 ; Q7.2@1795.28,1412.6 1815.75,1412.6 v1(1846.46,1381.89) 1865.35,1381.89 R46.2@1900,1416.54 ; v2(2400,1600) 2423.46,1576.54 R53.2@2423.46,1530 ; C34.2@2600,1558.46 v1(2600,1624.41)
  Solder Side w20: v1(1555.12,2779.53) 1559.65,2775 C47.2@1614.57,2775 ; v1(1614.17,2846.46) 1614.57,2846.06 C47.2@1614.57,2775 ; v1(1618.11,2704.72) 1614.57,2708.27 C47.2@1614.57,2775 ; v1(1763.78,4429.13) v1@1764.65,4430 ; C43.2@1838.58,4832.68 1877.95,4832.68 ; X1.2@1878.94,4700 1878.94,4831.69 1877.95,4832.68 ; v1@1914.96,1900 1961,1900 1971,1890 R28.1@1997.54,1890 ; C41.2@1925.2,4832.68 1877.95,4832.68 ; C42.2@1980,4366.54 1980,4307.4 v1(1984.25,4303.15) ; R30.1@2043.46,2390 2043.46,2337.54 v1(2055,2326) 2063.46,2317.54 R29.1@2063.46,2265 ; v1(2180,1825) 2190,1815 R24.1@2281.54,1815 ; R26.1@2189.46,2321 2189.46,2245.54 2228.35,2206.65 v1@2228.35,2204.72 ; v1(2224.41,2771.65) 2228.54,2775.78 R32.1@2228.54,2841 ; C32.2@3623.07,1775 3623.07,1701.54 C33.2@3621.54,1700 3621.54,1578.46 J6.20@3625,1575 ; v1(3770,1451) C31.2@3770,1509.57 C30.2@3865,1509.57 ; v1(3865,1453) C30.2@3865,1509.57 ; v1(3967,1451) C29.2@3967,1509.57 C30.2@3865,1509.57 ; v1(4996.06,2559.06) 5050.79,2559.06 5054.72,2555.12 ; v1(5000,2039.37) 5050.79,2039.37 5054.72,2035.43 ; v1(5007.87,2326.77) 5064.76,2326.77 R12.2@5066.54,2325 5050,2308.46 Q3.2@5050,2249.8 ; Q1.2@5054.72,1987.4 5054.72,2035.43 ; Q2.2@5054.72,2512.4 5054.72,2555.12 ; R11.2@5066.54,2075 5054.72,2063.19 5054.72,2035.43 ; R13.2@5066.54,2600 5054.72,2588.19 5054.72,2555.12 ; v1(5212.6,4106.3) 5216.54,4110.24 C24.2@5452.76,4110.24 v1(5452.76,4055.12) C23.2@5452.76,4000 5277.56,4000 C27.2@5275.59,4001.97 v1(5275.59,4055.12) C28.2@5275.59,4108.27 ; C25.2@5364.17,4001.97 C26.2@5364.17,4108.27 ; C21.2@5591.54,2850 5591.54,2912.4 v1(5590.55,2913.39) 5590.55,2974.02 C22.2@5591.54,2975 ; v1(5598.43,1799.21) 5602.36,1803.15 C20.2@5647.64,1803.15 5647.64,1746.06 v1(5645.67,1744.09) ; C19.2@5800,1960.43 v1(5846.65,1960.43) ; C18.2@5983.46,3575 6039.17,3575 6045,3569.17 v1(6045,3547) ; C15.2@5985.43,3500 v1(6043.31,3500) ; v1(6052,2336) 6052,2301.61 6050.39,2300 C13.2@5985.43,2300 5983.46,2301.97 C16.2@5983.46,2375 6071.85,2375 v1(6090.55,2393.7) U4.1@6090.55,2475.59 ; v1(6075,2885) 6056.26,2885 6046.26,2875 C14.2@5985.43,2875 5983.46,2876.97 C17.2@5983.46,2950 6052.36,2950 v1(6090.55,2988.19) U1.1@6090.55,3083.86 ; v1(6090.55,1807.09) U3.1@6090.55,1887.8 6135.83,1887.8 6162.6,1914.57 C10.2@6200.79,1914.57 ; U2.1@6090.55,3700 6116,3674.55 v1(6116,3600) ; C10.2@6200,1916.54 6200.79,1915.75 C10.2@6200.79,1914.57 ; v1(6200.79,1850.39) C10.2@6200.79,1914.57 ; v1(6200.79,2476.38) 6200,2477.17 C11.2@6200,2541.54 6348.23,2541.54 6345.69,2539 v1(6339,2539) ; v1(6200.79,3078.74) 6200,3079.53 C12.2@6200,3141.54 6342.72,3141.54 6338.58,3137.4 v1(6338.58,3080.71) ; v1(6200.79,3629.92) C9.2@6200.79,3688.98 6202.76,3690.94 C8.2@6279.53,3690.94 ; C6.2@6275,2539.57 6275,2476.97 v1(6275.59,2476.38) ; C7.2@6275,3139.57 6275,3083.27 v1(6275.59,3082.68) ; v1(6275.59,1854.33) C5.2@6275.59,1913.98 ; v1(6307.09,3633.86) 6279.53,3661.42 C8.2@6279.53,3690.94 ; v1(6338.58,3685.04) 6332.68,3690.94 C8.2@6279.53,3690.94 ; v1(6350.39,1909.45) 6280.12,1909.45 C5.2@6275.59,1913.98 ; C10.2@6200.79,1914.57 C5.2@6275,1914.57 C5.2@6275.59,1913.98
  Solder Side w25: v1(1822.83,1814.96) 1832.68,1824.8 TVS1.A@1832.68,1900 1914.96,1900 v1(1917.32,1897.64) ; v1(2224.41,2771.65) 2224.57,2771.5 C38.2@2224.57,2700 2224.57,2644.57 v1(2230,2650) ; v1@2228.35,2204.72 C36.2@2271.65,2204.72 2250,2226.38 v1(2250,2275) 2258.94,2275 2268.94,2265 ; J13.10@5100,3700 5108.46,3708.46 R10.1@5210,3708.46
  other v1: 2216.54,2204.72 2180,2700 5362.2,4055.12
  other v2: 1200,1200 1400,1200 1600,1200 1800,1200 2000,1200 2200,1200 2400,1200 2600,1200 2800,1200 3000,1200 3200,1200 3400,1200 3600,1200 6200,1200 6400,1200 6600,1200 6800,1200 1500,1400 1700,1400 2100,1400 2300,1400 2500,1400 4100,1400 5900,1400 6300,1400 6500,1400 6900,1400 1200,1600 1400,1600 2200,1600 4800,1600 6800,1600 1300,1800 1500,1800 1300,2200 1200,2400 1400,2400 2600,2400 2800,2400 2700,2600 3100,2600 3300,2600 3500,2600 3900,2600 4100,2600 4300,2600 4500,2600 4700,2600 4900,2600 3000,2800 3200,2800 3400,2800 3600,2800 4000,2800 4200,2800 4400,2800 4600,2800 3100,3000 3300,3000 3500,3000 3700,3000 3900,3000 4100,3000 4300,3000 4500,3000 3200,3200 4600,3200 3100,3400 4500,3400 4700,3400 3000,3600 3200,3600 4600,3600 2300,3800 2500,3800 3100,3800 4500,3800 1200,4000 1400,4000 2400,4000 3000,4000 3200,4000 1300,4200 1500,4200 2300,4200 3100,4200 4500,4200 3000,4400 3200,4400 1500,4600 1700,4600 1900,4600 2100,4600 2300,4600 2500,4600 3100,4600 3300,4600 3500,4600 3700,4600 3900,4600 4100,4600 4300,4600 4500,4600 1600,4800 2200,4800 2400,4800 2600,4800 2800,4800 3400,4800 3600,4800 3800,4800 4000,4800 4200,4800 4400,4800
GPIO1/TX: J5.7 J7.7 R39.2 | length 1870.9
  Component Side w20: J5.7@2600,4000 J7.7@2900,4000
  Solder Side w8: R39.2@1963.46,3210 2284.8,3210 2523.62,3448.82 2716.54,3448.82 2775.59,3507.87 2775.59,3944.88 2720.47,4000 J5.7@2600,4000
GPIO2/RX: J5.8 J7.8 R41.2 | length 1600
  Component Side w20: J5.8@2600,3900 J7.8@2900,3900
  Solder Side w8: R41.2@1963.46,3330 2247.32,3330 2468.5,3551.18 2700.79,3551.18 2728.35,3578.74 2728.35,3870.08 2698.43,3900 J5.8@2600,3900
GPIO3: J5.9 J7.9 R43.2 | length 1348.6
  Component Side w20: J5.9@2600,3800 J7.9@2900,3800
  Solder Side w8: R43.2@1963.46,3470 2304.65,3470 2484.25,3649.61 2685.04,3649.61 2700.79,3665.35 2700.79,3791.34 2692.13,3800 J5.9@2600,3800
GPIO4/TRIG: J5.10 J7.10 R45.2 TP2.1 | length 1254.6
  Component Side w20: J5.10@2600,3700 J7.10@2900,3700
  Solder Side w8: TP2.1@1885,3830 1963.46,3751.54 R45.2@1963.46,3590 1995.51,3590 2105.51,3700 J5.10@2600,3700
HDR1: J8.11 J9.11 J10.1 J12.1 J15.1 | length 2753.6
  Component Side w10: J8.11@3900,2200 3900,1782 4207,1475 J10.1@4250,1475
  Component Side w20: J8.11@3900,2200 J9.11@3900,2500
  Internal Signal 3 w8: J12.1@5000,1475 5081.3,1393.7 5598.43,1393.7 5650,1445.28 J15.1@5650,1475
  Internal Signal 3 w10: J10.1@4250,1475 4250,1458.66 4311.02,1397.64 4922.64,1397.64 J12.1@5000,1475